# KiCad board Batch 1.kicad_pcb (continued)
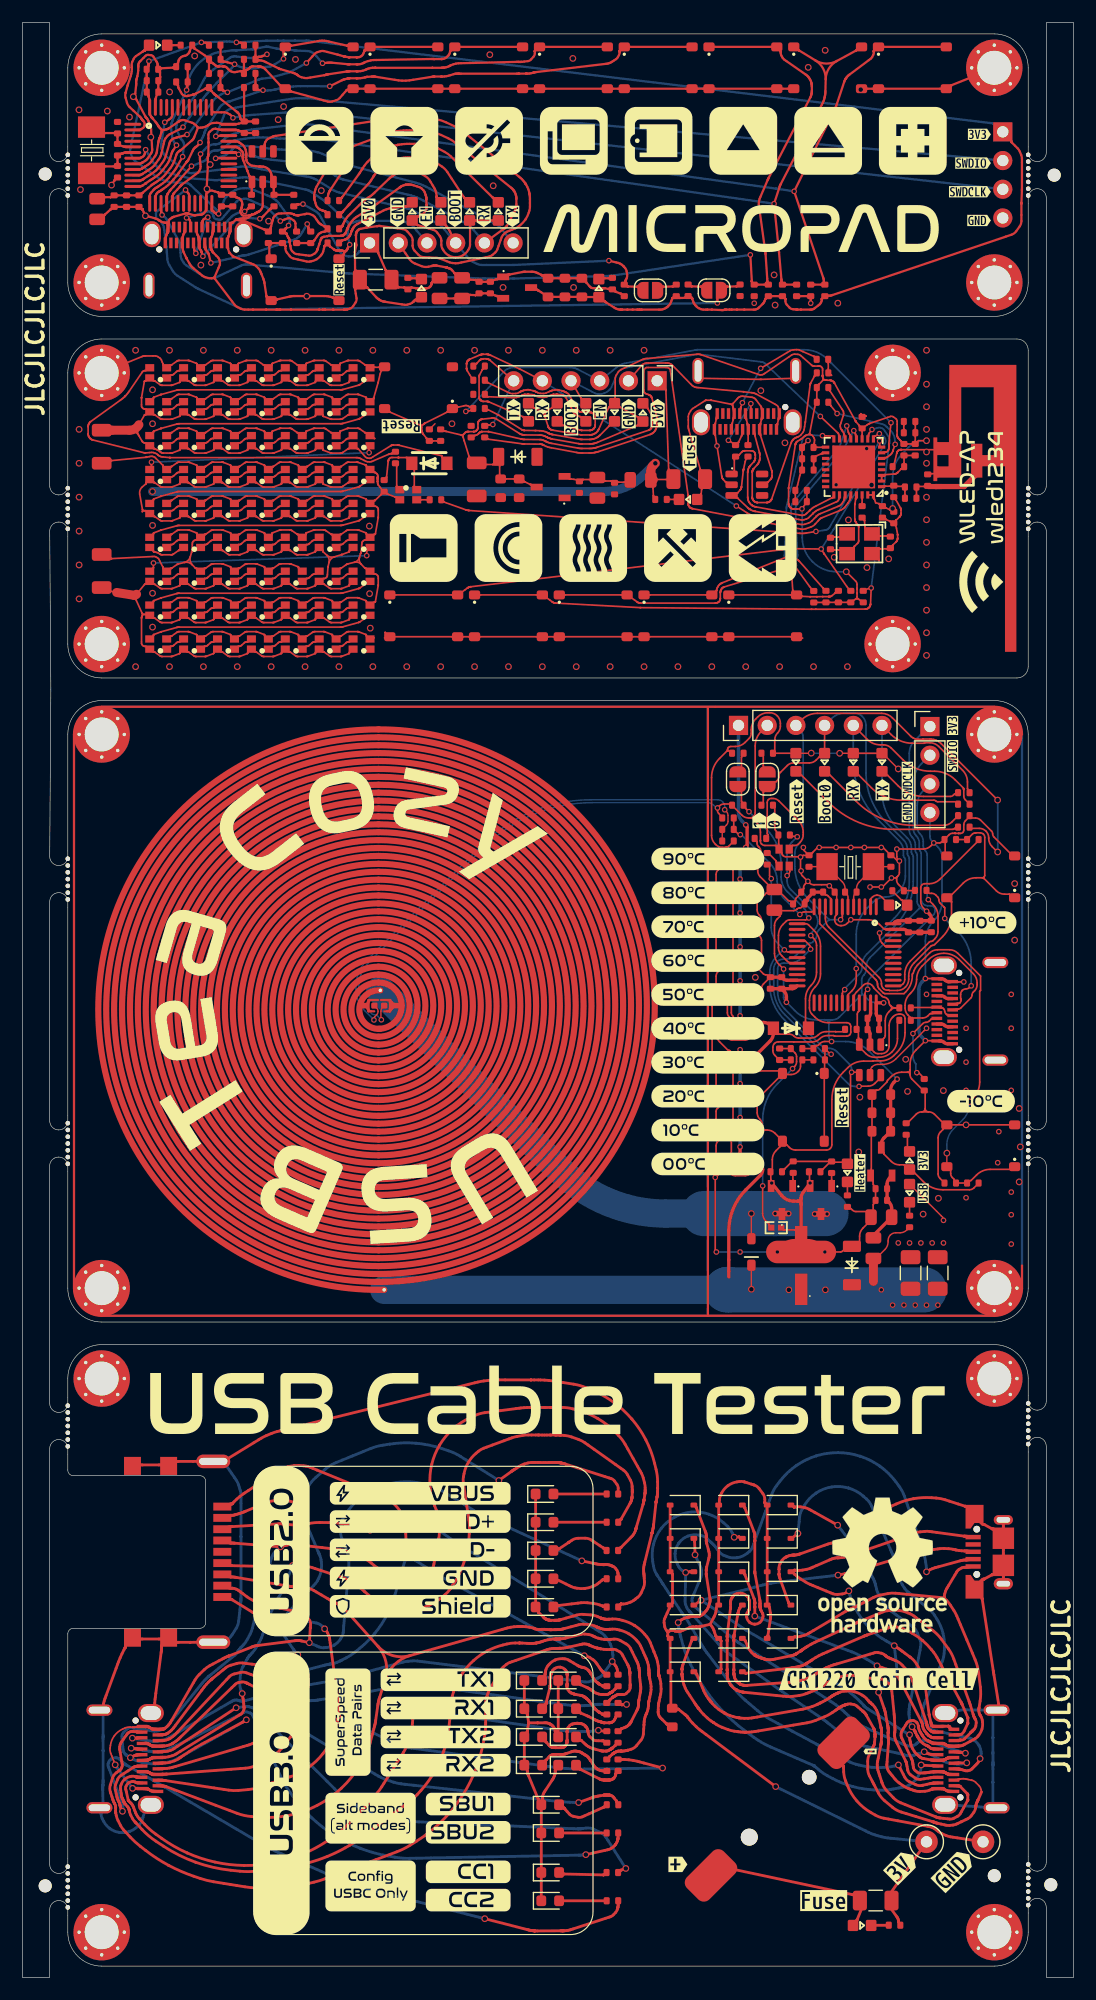
[diagram p0: board, top side]
## Routing (per net, layer and track width the routed paths; a pad name or vN(x,y) marks a point on that pad's centre or on a via; arc(x,y) is an arc through that point) (continued)
Net-(LED3-C): length 2
  Top w0.15: 77.22,95.91 77.78,95.35 arc(77.8,95.34) 77.81,95.33 77.83,95.33 arc(77.83,95.33) 77.83,95.33 77.84,95.33
  Top w0.2: LED1.1 R9.2
Net-(LED4-C): length 32.8
  Top w0.15: 82.52,104.74 82.5,104.74 arc(82.49,104.74) 82.48,104.73 82.38,104.63 arc(82.25,104.54) 82.11,104.52 79.75,104.52 arc(78.53,104.76) 77.49,105.45 76.56,106.38 arc(76.56,106.38) 76.56,106.38 76.55,106.38 ; R35.1 40.7,142.31 arc(40.7,142.3) 40.7,142.3 arc(40.7,142.3) 40.7,142.3 40.43,141.8 arc(40.42,141.78) 40.41,141.76 40.4,141.72 arc(40.4,141.7) 40.4,141.68 40.4,141.64 40.4,139.83 arc(40.4,139.82) 40.4,139.81 40.41,139.78 arc(40.41,139.77) 40.41,139.76 40.43,139.71 arc(40.44,139.69) 40.45,139.68 40.47,139.65 arc(40.48,139.63) 40.49,139.62 40.51,139.61 arc(40.51,139.61) 40.51,139.61 40.51,139.61 arc(40.52,139.6) 40.52,139.6 40.53,139.59 arc(40.53,139.59) 40.54,139.58 arc(40.54,139.58) 40.55,139.58 40.55,139.57 arc(40.55,139.57) 40.55,139.57 arc(40.55,139.57) 40.55,139.57 40.56,139.56 arc(40.57,139.55) 40.58,139.55 40.59,139.54 arc(40.61,139.52) 40.64,139.51 40.69,139.49 arc(40.72,139.48) 40.75,139.48 41.11,139.48 arc(41.12,139.47) 41.13,139.47 41.16,139.47 arc(41.17,139.47) 41.18,139.46 arc(41.19,139.46) 41.2,139.46 41.21,139.45 arc(41.21,139.45) 41.22,139.45 arc(41.22,139.45) 41.23,139.45 41.24,139.45 arc(41.24,139.44) 41.24,139.44 arc(41.25,139.44) 41.25,139.44 44.29,138.12 arc(44.29,138.12) 44.29,138.12 44.3,138.12 arc(44.3,138.12) 44.3,138.12 LED9.1
  Top w0.2: LED2.1 41.63,157.5 arc(41.63,157.5) 41.63,157.5 41.62,157.5 arc(41.62,157.5) 41.62,157.5 38.4,160.67 37.91,161.15 arc(37.65,161.37) 37.36,161.55 36.75,161.88 arc(36.44,162.01) 36.11,162.1 35.63,162.2 arc(35.52,162.22) 35.4,162.23 35.17,162.25 arc(35.06,162.26) 34.94,162.27 34.02,162.27 arc(33.9,162.26) 33.79,162.25 33.56,162.23 arc(33.44,162.22) 33.33,162.2 33.2,162.17 arc(33.19,162.17) 33.18,162.17 32.92,162.12 arc(32.7,162.06) 32.48,161.98 32.06,161.81 arc(31.86,161.71) 31.66,161.59 31.45,161.45 arc(31.44,161.45) 31.44,161.45 arc(31.44,161.45) 31.43,161.44 31.22,161.3 arc(31.03,161.16) 30.86,161.01 30.54,160.68 arc(30.38,160.51) 30.24,160.32 30.1,160.11 arc(30.1,160.11) 30.1,160.1 arc(30.09,160.1) 30.09,160.1 30.09,160.09 arc(30.08,160.08) 30.07,160.06 30.04,160.02 arc(30.01,159.97) 29.98,159.92 29.87,159.74 arc(29.84,159.7) 29.82,159.67 arc(29.79,159.63) 29.77,159.59 28.26,157.52 arc(28.26,157.52) 28.26,157.51 28.26,157.51 arc(28.26,157.51) 28.26,157.51 arc(28.26,157.51) 28.25,157.51 R17.1
Net-(LED5-C): length 40.7
  Top w0.15: 74.01,106.38 74.02,106.38 arc(74.02,106.38) 74.02,106.38 75.12,105.28 arc(76.34,104.47) 77.77,104.19 80.66,104.19 arc(80.75,104.17) 80.83,104.11 arc(80.91,104.06) 81,104.04 82.52,104.04 ; LED8.1 47.8,137.36 arc(47.8,137.36) 47.81,137.36 49.35,136.94 arc(49.36,136.93) 49.37,136.93 arc(49.38,136.93) 49.39,136.92 49.43,136.92 arc(49.44,136.92) 49.44,136.91 arc(49.45,136.91) 49.46,136.91 49.48,136.91 arc(49.48,136.91) 49.49,136.91 50.21,136.91 arc(50.22,136.91) 50.22,136.91 50.24,136.91 arc(50.25,136.91) 50.26,136.91 arc(50.26,136.92) 50.27,136.92 50.34,136.93 arc(50.35,136.93) 50.37,136.94 50.4,136.95 arc(50.41,136.96) 50.42,136.97 50.5,137.02 arc(50.51,137.03) 50.52,137.04 50.55,137.06 arc(50.56,137.07) 50.57,137.08 50.62,137.16 arc(50.63,137.17) 50.63,137.19 50.65,137.22 arc(50.65,137.23) 50.65,137.25 50.67,137.31 arc(50.67,137.32) 50.67,137.33 arc(50.67,137.34) 50.67,137.35 50.67,137.36 arc(50.68,137.37) 50.68,137.38 50.68,138.04 arc(50.68,138.05) 50.67,138.06 50.67,138.07 arc(50.67,138.08) 50.67,138.09 arc(50.67,138.1) 50.67,138.11 50.65,138.17 arc(50.65,138.19) 50.65,138.2 50.63,138.23 arc(50.63,138.25) 50.62,138.26 50.59,138.3 arc(50.59,138.3) 50.59,138.3 arc(50.59,138.3) 50.59,138.3 50.57,138.34 arc(50.56,138.35) 50.55,138.36 50.52,138.38 arc(50.51,138.39) 50.5,138.4 50.42,138.45 arc(50.41,138.46) 50.4,138.47 50.37,138.48 arc(50.35,138.49) 50.34,138.49 50.3,138.5 arc(50.29,138.5) 50.29,138.5 arc(50.29,138.5) 50.28,138.5 50.26,138.5 arc(50.26,138.51) 50.25,138.51 arc(50.24,138.51) 50.24,138.51 50.22,138.51 arc(50.21,138.51) 50.21,138.51 50.13,138.51 arc(50.12,138.51) 50.12,138.51 arc(50.12,138.51) 50.11,138.51 49.57,138.52 arc(49.57,138.52) 49.56,138.52 arc(49.56,138.52) 49.56,138.52 49.55,138.52 arc(49.55,138.52) 49.54,138.53 49.47,138.53 arc(49.47,138.53) 49.46,138.54 arc(49.45,138.54) 49.44,138.54 49.38,138.55 arc(49.38,138.55) 49.37,138.55 49.36,138.55 arc(49.35,138.56) 49.35,138.56 arc(49.34,138.56) 49.34,138.56 49.3,138.57 arc(49.29,138.58) 49.27,138.58 arc(49.26,138.59) 49.24,138.6 49.22,138.61 arc(49.2,138.62) 49.19,138.63 49.19,138.63 arc(49.18,138.64) 49.17,138.65 49.15,138.67 arc(49.14,138.68) 49.14,138.68 49.12,138.7 arc(49.12,138.71) 49.11,138.71 49.09,138.74 arc(49.09,138.75) 49.09,138.75 arc(49.09,138.75) 49.08,138.76 49.08,138.76 arc(49.08,138.77) 49.08,138.77 48.45,139.92 48.4,140.02 arc(48.37,140.07) 48.33,140.11 48.24,140.19 arc(48.2,140.22) 48.15,140.25 48.09,140.28 arc(48.08,140.28) 48.08,140.28 48.07,140.28 arc(48.06,140.29) 48.06,140.29 48.04,140.3 arc(48.03,140.3) 48.02,140.31 48.01,140.31 arc(48.01,140.31) 48.01,140.31 48,140.32 arc(48,140.32) 47.99,140.32 47.98,140.33 arc(47.97,140.33) 47.97,140.34 arc(47.96,140.34) 47.95,140.34 47.92,140.35 arc(47.91,140.36) 47.89,140.37 arc(47.88,140.37) 47.86,140.38 47.82,140.39 arc(47.81,140.4) 47.8,140.4 arc(47.79,140.4) 47.78,140.41 47.76,140.41 arc(47.76,140.42) 47.75,140.42 47.4,140.5 arc(47.36,140.51) 47.33,140.51 47.25,140.51 arc(47.21,140.51) 47.17,140.51 46.89,140.45 arc(46.88,140.45) 46.86,140.44 46.83,140.44 arc(46.82,140.43) 46.8,140.43 46.73,140.4 arc(46.72,140.39) 46.71,140.39 arc(46.7,140.38) 46.68,140.38 46.33,140.22 arc(46.21,140.19) 46.09,140.18 45.83,140.19 arc(45.7,140.21) 45.59,140.25 45.47,140.31 arc(45.47,140.31) 45.47,140.31 45.46,140.32 arc(45.46,140.32) 45.45,140.32 45.44,140.33 arc(45.43,140.33) 45.43,140.34 arc(45.42,140.34) 45.41,140.34 45.38,140.35 arc(45.37,140.36) 45.35,140.37 arc(45.34,140.37) 45.32,140.38 45.28,140.39 arc(45.27,140.4) 45.26,140.4 arc(45.25,140.4) 45.24,140.41 45.22,140.41 arc(45.22,140.42) 45.21,140.42 44.86,140.5 arc(44.82,140.51) 44.79,140.51 44.71,140.51 arc(44.67,140.51) 44.63,140.51 44.35,140.45 arc(44.34,140.45) 44.32,140.44 44.29,140.44 arc(44.28,140.43) 44.26,140.43 44.2,140.4 arc(44.18,140.39) 44.16,140.39 arc(44.15,140.38) 44.13,140.37 44.1,140.36 arc(44.1,140.36) 44.09,140.35 arc(44.08,140.35) 44.07,140.35 44.06,140.34 arc(44.05,140.34) 44.05,140.33 arc(44.04,140.33) 44.03,140.32 arc(44.03,140.32) 44.02,140.32 43.91,140.25 arc(43.78,140.2) 43.64,140.17 43.36,140.16 arc(43.23,140.17) 43.1,140.22 42.84,140.34 41.18,141.14 arc(41.18,141.14) 41.18,141.14 41.18,141.14 arc(41.18,141.14) 41.18,141.14 arc(41.18,141.14) 41.17,141.14 R30.1
  Top w0.2: R18.1 28.27,156.21 arc(28.28,156.21) 28.28,156.21 arc(28.28,156.21) 28.28,156.21 28.28,156.21 arc(28.28,156.21) 28.28,156.22 28.29,156.22 arc(28.29,156.22) 28.29,156.22 arc(28.3,156.23) 28.3,156.23 arc(28.3,156.23) 28.3,156.23 28.33,156.27 arc(28.36,156.3) 28.4,156.34 28.75,156.73 arc(28.79,156.77) 28.83,156.82 28.86,156.85 arc(28.87,156.86) 28.88,156.87 28.89,156.88 arc(28.9,156.89) 28.9,156.89 28.92,156.91 arc(28.92,156.92) 28.93,156.92 28.98,156.99 arc(29.02,157.03) 29.05,157.08 29.13,157.16 arc(29.17,157.2) 29.21,157.25 30.51,158.62 30.59,158.71 arc(30.64,158.76) 30.68,158.81 30.75,158.91 arc(30.79,158.96) 30.82,159.01 31,159.3 arc(31.03,159.33) 31.05,159.37 31.07,159.4 arc(31.08,159.41) 31.09,159.42 31.09,159.43 arc(31.09,159.44) 31.1,159.44 arc(31.1,159.44) 31.1,159.44 31.21,159.61 arc(31.31,159.75) 31.43,159.87 31.67,160.12 arc(31.8,160.23) 31.94,160.34 32.1,160.45 arc(32.1,160.45) 32.11,160.45 arc(32.11,160.45) 32.11,160.45 32.28,160.56 arc(32.42,160.65) 32.57,160.72 32.89,160.85 arc(33.05,160.91) 33.21,160.95 33.42,160.99 arc(33.42,160.99) 33.43,160.99 33.53,161.02 arc(33.62,161.03) 33.7,161.04 33.87,161.06 arc(33.96,161.06) 34.04,161.07 34.92,161.07 arc(35,161.06) 35.09,161.06 35.26,161.04 arc(35.34,161.03) 35.43,161.02 35.88,160.92 arc(36.22,160.82) 36.52,160.66 37.11,160.27 arc(37.37,160.04) 37.59,159.77 37.98,159.18 39.08,157.51 arc(39.08,157.51) 39.08,157.5 arc(39.08,157.5) 39.08,157.5 39.08,157.5 arc(39.08,157.5) 39.08,157.5 39.09,157.5 arc(39.09,157.5) 39.09,157.5 LED3.1
Net-(LED6-K): length 35.7
  Top w0.15: 68.93,106.38 68.94,106.38 arc(68.94,106.38) 68.94,106.38 71.33,103.99 arc(73.98,102.23) 77.1,101.61 82.34,101.61 arc(82.4,101.62) 82.45,101.65 82.48,101.68 arc(82.49,101.69) 82.5,101.69 82.52,101.69 ; LED12.1 51.92,137.3 arc(51.92,137.3) 51.92,137.3 51.91,137.3 arc(51.91,137.3) 51.91,137.3 51.12,136.51 51.08,136.47 arc(51.06,136.45) 51.04,136.43 51,136.39 arc(50.98,136.37) 50.95,136.36 50.84,136.28 arc(50.79,136.25) 50.74,136.23 50.64,136.19 arc(50.59,136.17) 50.53,136.15 50.39,136.13 arc(50.37,136.12) 50.34,136.12 50.28,136.11 arc(50.26,136.11) 50.23,136.11 49.48,136.11 arc(49.45,136.11) 49.43,136.11 49.38,136.12 arc(49.36,136.12) 49.33,136.12 49.28,136.13 46.94,136.53 arc(46.93,136.54) 46.92,136.54 arc(46.91,136.54) 46.9,136.54 46.83,136.56 arc(46.82,136.56) 46.81,136.56 arc(46.81,136.56) 46.8,136.56 46.78,136.57 arc(46.78,136.57) 46.77,136.57 46.74,136.58 arc(46.74,136.58) 46.73,136.58 arc(46.72,136.59) 46.72,136.59 46.7,136.59 arc(46.7,136.59) 46.69,136.6 46.67,136.61 arc(46.66,136.61) 46.65,136.61 arc(46.64,136.62) 46.63,136.62 46.62,136.63 arc(46.61,136.63) 46.6,136.64 46.58,136.65 arc(46.57,136.65) 46.56,136.65 46.55,136.66 arc(46.55,136.66) 46.54,136.67 46.53,136.67 arc(46.53,136.67) 46.52,136.67 arc(46.52,136.68) 46.51,136.68 46.37,136.75 arc(46.3,136.78) 46.22,136.81 46.07,136.85 arc(45.99,136.87) 45.91,136.87 45.43,136.89 arc(45.41,136.89) 45.39,136.89 arc(45.37,136.9) 45.35,136.9 44.42,136.91 arc(44.42,136.91) 44.41,136.91 arc(44.4,136.91) 44.39,136.91 44.38,136.91 arc(44.37,136.91) 44.36,136.91 44.31,136.92 arc(44.3,136.93) 44.28,136.93 arc(44.27,136.93) 44.26,136.94 44.23,136.95 arc(44.21,136.96) 44.2,136.96 44.18,136.98 42.15,138.25 42.13,138.26 arc(42.12,138.27) 42.11,138.28 42.09,138.29 arc(42.08,138.29) 42.07,138.3 41.21,138.73 arc(41.21,138.74) 41.2,138.74 41.19,138.74 arc(41.19,138.74) 41.18,138.74 41.14,138.74 arc(41.11,138.74) 41.07,138.76 R27.1
  Top w0.2: R14.1 28.27,153.71 arc(28.28,153.71) 28.28,153.71 28.28,153.71 28.52,153.79 arc(28.54,153.8) 28.56,153.8 28.6,153.82 arc(28.62,153.83) 28.63,153.84 28.7,153.88 arc(28.74,153.9) 28.77,153.93 28.83,153.98 arc(28.86,154.01) 28.89,154.04 28.9,154.07 arc(28.91,154.08) 28.92,154.09 arc(28.93,154.1) 28.93,154.11 28.94,154.12 arc(28.96,154.14) 28.97,154.16 28.99,154.21 arc(29.01,154.23) 29.02,154.26 29.12,154.52 arc(29.12,154.53) 29.12,154.54 arc(29.12,154.54) 29.13,154.55 29.13,154.56 arc(29.14,154.57) 29.14,154.58 29.14,154.58 arc(29.14,154.59) 29.14,154.59 arc(29.15,154.59) 29.15,154.6 29.17,154.65 arc(29.17,154.65) 29.17,154.65 arc(29.17,154.66) 29.18,154.66 29.18,154.68 arc(29.19,154.71) 29.21,154.73 29.23,154.78 arc(29.25,154.8) 29.26,154.83 29.35,154.94 arc(29.38,154.98) 29.42,155.02 29.5,155.09 arc(29.54,155.12) 29.59,155.15 29.68,155.2 31.67,156.23 31.93,156.36 arc(32.07,156.43) 32.21,156.48 32.49,156.56 arc(32.64,156.6) 32.78,156.62 33.86,156.73 arc(33.88,156.73) 33.89,156.73 arc(33.9,156.73) 33.91,156.73 33.94,156.74 arc(33.95,156.74) 33.97,156.74 33.98,156.74 arc(33.98,156.74) 33.98,156.74 arc(33.98,156.74) 33.98,156.74 arc(33.99,156.74) 33.99,156.74 LED4.1
  vias: v1(52,116)
Net-(LED7-K): length 35.7
  Top w0.15: 82.54,102.56 82.24,102.26 arc(81.91,102.03) 81.52,101.96 78.93,101.96 arc(76.14,102.51) 73.77,104.09 71.48,106.38 arc(71.48,106.38) 71.48,106.38 71.47,106.38 ; LED10.1 49.38,138.12 arc(49.38,138.12) 49.38,138.12 49.37,138.12 arc(49.37,138.12) 49.37,138.12 49.17,138.18 arc(49.13,138.2) 49.09,138.22 49.01,138.26 arc(48.97,138.29) 48.94,138.32 48.85,138.4 arc(48.84,138.42) 48.83,138.43 48.81,138.46 arc(48.79,138.47) 48.78,138.49 48.75,138.53 arc(48.75,138.54) 48.74,138.55 48.73,138.57 arc(48.73,138.58) 48.72,138.59 48.71,138.61 48.1,139.8 48.09,139.83 arc(48.08,139.84) 48.07,139.86 48.05,139.88 arc(48.03,139.9) 48.02,139.91 48.02,139.91 arc(48.01,139.92) 48,139.93 48,139.93 arc(47.99,139.93) 47.98,139.94 arc(47.98,139.94) 47.97,139.95 47.95,139.96 arc(47.94,139.96) 47.94,139.97 47.93,139.97 arc(47.93,139.97) 47.92,139.97 arc(47.92,139.97) 47.91,139.98 47.85,140.01 arc(47.85,140.01) 47.85,140.01 47.84,140.01 arc(47.83,140.02) 47.83,140.02 47.82,140.03 arc(47.81,140.03) 47.8,140.03 47.75,140.05 arc(47.74,140.05) 47.74,140.05 arc(47.73,140.05) 47.73,140.05 47.72,140.05 arc(47.72,140.06) 47.71,140.06 47.64,140.07 arc(47.63,140.07) 47.63,140.07 arc(47.62,140.07) 47.61,140.07 47.3,140.11 arc(47.29,140.11) 47.28,140.11 47.27,140.11 arc(47.26,140.11) 47.25,140.11 47.01,140.09 arc(47.01,140.09) 47,140.09 arc(47,140.09) 47,140.09 46.99,140.09 arc(46.99,140.08) 46.98,140.08 arc(46.98,140.08) 46.98,140.08 46.91,140.07 arc(46.91,140.07) 46.9,140.07 arc(46.9,140.07) 46.89,140.07 46.88,140.06 arc(46.88,140.06) 46.88,140.06 46.82,140.05 arc(46.82,140.04) 46.81,140.04 arc(46.8,140.04) 46.8,140.04 46.37,139.87 arc(46.22,139.84) 46.06,139.83 45.75,139.85 arc(45.59,139.88) 45.45,139.93 45.31,140.01 arc(45.31,140.01) 45.31,140.01 45.3,140.01 arc(45.29,140.02) 45.29,140.02 45.28,140.03 arc(45.27,140.03) 45.26,140.03 45.21,140.05 arc(45.2,140.05) 45.2,140.05 arc(45.19,140.05) 45.19,140.05 45.18,140.05 arc(45.18,140.06) 45.17,140.06 45.1,140.07 arc(45.09,140.07) 45.09,140.07 arc(45.08,140.07) 45.07,140.07 44.76,140.11 arc(44.75,140.11) 44.74,140.11 44.73,140.11 arc(44.72,140.11) 44.71,140.11 44.47,140.09 arc(44.47,140.09) 44.46,140.09 arc(44.46,140.09) 44.46,140.09 44.45,140.09 arc(44.45,140.08) 44.44,140.08 arc(44.44,140.08) 44.44,140.08 44.37,140.07 arc(44.37,140.07) 44.36,140.07 arc(44.36,140.07) 44.35,140.07 44.34,140.06 arc(44.34,140.06) 44.34,140.06 44.28,140.05 arc(44.28,140.04) 44.27,140.04 arc(44.26,140.04) 44.25,140.04 44.24,140.03 arc(44.23,140.03) 44.23,140.02 arc(44.22,140.02) 44.21,140.01 arc(44.21,140.01) 44.2,140.01 44.12,139.96 arc(44.02,139.91) 43.92,139.88 43.72,139.83 arc(43.62,139.81) 43.51,139.81 43.3,139.81 41.18,139.89 arc(41.18,139.89) 41.18,139.89 41.18,139.89 arc(41.18,139.89) 41.17,139.89 R29.1
  Top w0.2: R13.1 28.27,154.96 arc(28.28,154.96) 28.28,154.96 arc(28.28,154.96) 28.28,154.96 28.28,154.96 arc(28.28,154.96) 28.29,154.97 28.29,154.97 arc(28.29,154.97) 28.29,154.97 arc(28.29,154.98) 28.3,154.98 28.3,154.99 arc(28.3,154.99) 28.3,155 28.31,155.01 arc(28.31,155.03) 28.32,155.05 28.33,155.08 arc(28.34,155.1) 28.35,155.11 28.48,155.4 arc(28.53,155.49) 28.58,155.58 28.7,155.75 arc(28.77,155.83) 28.84,155.91 29.81,156.86 29.97,157.02 arc(30.05,157.09) 30.14,157.17 30.32,157.31 arc(30.41,157.38) 30.5,157.44 30.69,157.57 arc(30.75,157.61) 30.81,157.66 30.93,157.75 arc(30.99,157.8) 31.05,157.86 31.16,157.96 32.4,159.15 32.47,159.22 arc(32.51,159.25) 32.54,159.28 32.62,159.35 arc(32.66,159.38) 32.7,159.41 32.81,159.48 32.89,159.53 arc(32.99,159.59) 33.09,159.64 33.3,159.72 arc(33.4,159.76) 33.51,159.79 33.64,159.81 arc(33.65,159.81) 33.65,159.82 33.74,159.83 arc(33.79,159.84) 33.85,159.85 33.96,159.86 arc(34.02,159.86) 34.07,159.87 34.53,159.87 arc(34.83,159.83) 35.1,159.72 35.63,159.42 arc(35.87,159.24) 36.05,159.01 36.45,158.33 arc(36.5,158.23) 36.54,158.12 36.6,157.91 arc(36.63,157.8) 36.64,157.69 36.64,157.58 arc(36.64,157.57) 36.64,157.57 36.64,157.57 arc(36.64,157.57) 36.64,157.56 36.64,157.56 arc(36.64,157.56) 36.64,157.56 LED5.1
Net-(LED8-K): length 0.4
  Top w0.15: 73,69.92 73,69.48
Net-(R28-Pad2): length 47.9
  Top w0.127: R53.1 R56.2 ; R62.2 31.33,85.8 arc(31.43,85.66) 31.46,85.5 arc(31.43,85.33) 31.33,85.19 31.17,85.03 arc(31.12,84.95) 31.1,84.85 v2(31.1,84.73) ; v2(62.14,103.34) 62.28,103.19 arc(62.39,103.03) 62.43,102.84 62.43,102.31 arc(62.4,102.14) 62.3,101.99 62.17,101.86
  Bottom w0.127: v2(31.1,84.73) 30.31,85.52 arc(29.71,86.42) 29.5,87.48 29.5,87.69 arc(29.75,88.95) 30.46,90.01 40.69,100.24 arc(45.1,103.18) 50.3,104.22 61.53,104.22 arc(61.76,104.17) 61.96,104.04 arc(62.09,103.84) 62.14,103.61 v2(62.14,103.34)
Net-(R29-Pad2): length 17.4
  Top w0.15: R79.2 66.09,66.52 arc(66.07,66.55) 66.06,66.58 66.06,66.64 arc(66.06,66.65) 66.05,66.66 65.78,66.93 arc(65.57,67.24) 65.5,67.61 v2(65.5,70.05) ; 67.32,82.21 67.72,82.21 ; v2(68.14,80.43) 68.32,80.61 arc(68.45,80.81) 68.5,81.04 68.5,81.49 arc(68.47,81.66) 68.37,81.81 68.24,81.94
  Bottom w0.15: v2(68.14,80.43) 66.82,79.11 arc(65.84,77.64) 65.5,75.92 v2(65.5,70.05)
Net-(RGB1-DI): length 4.6
  Top w0.15: R28.2 RGB38.4 ; 65,100.5 65,100.5 arc(65,100.5) 65,100.5 65,100.35 arc(65.03,100.21) 65.11,100.09 65.18,100.03 arc(65.3,99.83) 65.35,99.61 65.35,99.3 arc(65.33,99.19) 65.26,99.09 arc(65.16,99.02) 65.05,99 64.55,99 arc(64.42,98.97) 64.31,98.9 64.3,98.89 arc(64.2,98.82) 64.08,98.8 63.91,98.8 arc(63.88,98.79) 63.85,98.78 RGB65.4
Net-(RGB1-DO): length 7.1
  Top w0.15: RGB67.4 63.25,95.78 arc(63.22,95.79) 63.19,95.8 63.13,95.8 arc(63.12,95.8) 63.11,95.81 62.99,95.93 arc(62.97,95.95) 62.97,95.98 62.97,96 arc(62.96,96.01) 62.95,96.03 arc(62.94,96.04) 62.94,96.06 62.94,96.06 arc(62.94,96.08) 62.93,96.09 62.91,96.11 arc(62.88,96.15) 62.88,96.19 62.88,98.58 arc(62.83,98.82) 62.69,99.02 62.54,99.18 arc(62.51,99.19) 62.48,99.2 62.41,99.2 arc(62.38,99.21) 62.35,99.22 RGB65.1 ; R31.1 33.09,133.84 arc(33.11,133.8) 33.11,133.77 33.11,131.96 arc(33.12,131.92) 33.14,131.89 RGB38.1
Net-(RGB1-VDD): length 6.7
  Top w0.15: C35.1 32.21,132.77 arc(32.21,132.78) 32.21,132.78 32.21,132.78 32.36,134.17 arc(32.36,134.17) 32.36,134.17 arc(32.36,134.18) 32.36,134.18 32.36,134.19 arc(32.36,134.19) 32.36,134.19 32.37,134.23 arc(32.37,134.23) 32.37,134.23 32.37,134.24 arc(32.37,134.24) 32.37,134.24 arc(32.37,134.25) 32.37,134.25 32.39,134.33 arc(32.41,134.37) 32.45,134.41 32.54,134.48 arc(32.58,134.5) 32.64,134.51 33.24,134.51 arc(33.24,134.51) 33.25,134.51 33.25,134.51 arc(33.26,134.51) 33.26,134.51 33.26,134.51 arc(33.26,134.51) 33.26,134.51 33.27,134.51 arc(33.27,134.51) 33.28,134.51 33.28,134.51 arc(33.29,134.51) 33.29,134.51 33.99,134.51 arc(34.02,134.5) 34.05,134.48 34.27,134.22 arc(34.43,133.99) 34.56,133.74 34.65,133.51 arc(34.66,133.47) 34.67,133.44 34.67,131.96 arc(34.67,131.92) 34.69,131.89 RGB38.2
Net-(RGB2-DI): length 36.4
  Top w0.15: RGB7.4 10.95,142.22 arc(10.92,142.21) 10.89,142.2 10.81,142.2 arc(10.77,142.2) 10.73,142.18 10.66,142.14 arc(10.63,142.12) 10.6,142.09 9.45,140.4 9.38,140.3 arc(9.34,140.24) 9.3,140.19 9.22,140.09 arc(9.18,140.04) 9.13,140 9.09,139.96 arc(9.09,139.95) 9.08,139.94 arc(9.07,139.94) 9.07,139.93 arc(9.06,139.93) 9.06,139.92 arc(9.05,139.91) 9.04,139.91 9.01,139.87 arc(8.97,139.84) 8.93,139.8 8.84,139.73 arc(8.8,139.69) 8.76,139.66 6.02,137.69 6,137.67 arc(5.98,137.66) 5.97,137.65 5.95,137.63 arc(5.94,137.62) 5.94,137.61 5.86,137.5 arc(5.86,137.49) 5.85,137.47 5.84,137.44 arc(5.83,137.43) 5.83,137.41 5.81,137.31 arc(5.81,137.3) 5.8,137.29 arc(5.8,137.29) 5.8,137.28 5.8,137.26 arc(5.8,137.25) 5.8,137.25 5.8,136.6 arc(5.8,136.6) 5.8,136.59 5.8,136.57 arc(5.8,136.56) 5.8,136.56 arc(5.81,136.55) 5.81,136.54 5.83,136.44 arc(5.83,136.42) 5.84,136.41 5.85,136.38 arc(5.86,136.36) 5.86,136.35 5.94,136.24 arc(5.95,136.23) 5.96,136.22 5.98,136.19 arc(5.99,136.18) 6,136.17 6.11,136.1 arc(6.12,136.1) 6.13,136.09 6.16,136.08 arc(6.17,136.07) 6.19,136.07 6.21,136.06 10.76,134.93 10.79,134.92 arc(10.8,134.92) 10.81,134.92 10.84,134.91 arc(10.85,134.91) 10.86,134.91 arc(10.88,134.92) 10.89,134.92 11.42,134.96 arc(11.51,134.96) 11.59,134.94 11.76,134.89 arc(11.84,134.85) 11.91,134.8 12.03,134.7 arc(12.07,134.67) 12.11,134.64 12.21,134.6 arc(12.26,134.58) 12.31,134.57 13.01,134.5 arc(13.02,134.5) 13.03,134.5 13.05,134.5 arc(13.06,134.5) 13.07,134.5 29.62,134.5 arc(29.66,134.5) 29.7,134.49 29.79,134.47 arc(29.83,134.46) 29.87,134.44 30.37,134.18 arc(30.46,134.15) 30.54,134.13 30.73,134.12 arc(30.82,134.13) 30.9,134.16 32.38,134.79 32.44,134.82 arc(32.47,134.83) 32.51,134.84 32.57,134.85 arc(32.61,134.86) 32.64,134.86 32.67,134.86 arc(32.67,134.86) 32.68,134.86 arc(32.68,134.86) 32.68,134.86 arc(32.68,134.86) 32.68,134.86 arc(32.68,134.86) 32.69,134.86 R31.2
Net-(RGB2-DO): length 6.4
  Top w0.15: RGB34.4 13.95,142.22 arc(13.92,142.21) 13.89,142.2 13.82,142.2 arc(13.79,142.2) 13.76,142.19 13.71,142.17 arc(13.68,142.16) 13.66,142.14 13.34,141.86 arc(13.32,141.84) 13.29,141.83 13.24,141.81 arc(13.21,141.8) 13.18,141.8 13.11,141.8 arc(13.08,141.79) 13.05,141.78 RGB7.1 ; RGB73.4 63.25,92.78 arc(63.22,92.79) 63.19,92.8 63.13,92.8 arc(63.12,92.8) 63.11,92.81 62.99,92.93 arc(62.97,92.95) 62.97,92.98 62.97,93 arc(62.96,93.01) 62.95,93.03 arc(62.94,93.04) 62.94,93.06 62.94,93.06 arc(62.94,93.08) 62.93,93.09 62.91,93.11 arc(62.88,93.15) 62.88,93.19 62.88,95.12 arc(62.85,95.25) 62.78,95.36 arc(62.7,95.47) 62.68,95.6 62.68,95.88 arc(62.67,95.89) 62.67,95.9 arc(62.66,95.91) 62.66,95.92 62.66,95.94 arc(62.65,95.96) 62.64,95.98 62.55,96.07 arc(62.53,96.1) 62.52,96.13 arc(62.52,96.15) 62.5,96.18 62.49,96.19 arc(62.48,96.2) 62.47,96.2 62.41,96.2 arc(62.38,96.21) 62.35,96.22 RGB67.1
Net-(RGB3-DO): length 6.4
  Top w0.15: RGB34.1 16.05,141.78 arc(16.08,141.79) 16.11,141.8 16.18,141.8 arc(16.21,141.8) 16.24,141.81 16.29,141.83 arc(16.32,141.84) 16.34,141.86 16.66,142.14 arc(16.68,142.16) 16.71,142.17 16.76,142.19 arc(16.79,142.2) 16.82,142.2 16.89,142.2 arc(16.92,142.21) 16.95,142.22 RGB27.4 ; RGB73.1 62.35,93.22 arc(62.38,93.21) 62.41,93.2 62.47,93.2 arc(62.48,93.2) 62.49,93.19 62.5,93.18 arc(62.52,93.15) 62.52,93.13 arc(62.53,93.1) 62.55,93.07 62.64,92.98 arc(62.65,92.96) 62.66,92.94 62.66,92.92 arc(62.66,92.91) 62.67,92.9 arc(62.67,92.89) 62.68,92.88 62.68,92.6 arc(62.7,92.47) 62.78,92.36 arc(62.85,92.25) 62.88,92.12 62.88,90.19 arc(62.88,90.15) 62.91,90.11 62.93,90.09 arc(62.94,90.08) 62.94,90.06 62.94,90.06 arc(62.94,90.04) 62.95,90.03 arc(62.96,90.01) 62.97,90 62.97,89.98 arc(62.97,89.95) 62.99,89.93 63.11,89.81 arc(63.12,89.8) 63.13,89.8 63.19,89.8 arc(63.22,89.79) 63.25,89.78 RGB68.4
Net-(RGB4-DO): length 6.4
  Top w0.15: RGB71.4 63.25,86.78 arc(63.22,86.79) 63.19,86.8 63.13,86.8 arc(63.12,86.8) 63.11,86.81 62.99,86.93 arc(62.97,86.95) 62.97,86.98 62.97,87 arc(62.96,87.01) 62.95,87.03 arc(62.94,87.04) 62.94,87.06 62.94,87.06 arc(62.94,87.08) 62.93,87.09 62.91,87.11 arc(62.88,87.15) 62.88,87.19 62.88,89.12 arc(62.85,89.25) 62.78,89.36 arc(62.7,89.47) 62.68,89.6 62.68,89.88 arc(62.67,89.89) 62.67,89.9 arc(62.66,89.91) 62.66,89.92 62.66,89.94 arc(62.65,89.96) 62.64,89.98 62.55,90.07 arc(62.53,90.1) 62.52,90.13 arc(62.52,90.15) 62.5,90.18 62.49,90.19 arc(62.48,90.2) 62.47,90.2 62.41,90.2 arc(62.38,90.21) 62.35,90.22 RGB68.1 ; RGB14.4 19.95,142.22 arc(19.92,142.21) 19.89,142.2 19.82,142.2 arc(19.79,142.2) 19.76,142.19 19.71,142.17 arc(19.68,142.16) 19.66,142.14 19.34,141.86 arc(19.32,141.84) 19.29,141.83 19.24,141.81 arc(19.21,141.8) 19.18,141.8 19.11,141.8 arc(19.08,141.79) 19.05,141.78 RGB27.1
Net-(RGB5-DO): length 6.4
  Top w0.15: RGB10.4 22.95,142.22 arc(22.92,142.21) 22.89,142.2 22.82,142.2 arc(22.79,142.2) 22.76,142.19 22.71,142.17 arc(22.68,142.16) 22.66,142.14 22.34,141.86 arc(22.32,141.84) 22.29,141.83 22.24,141.81 arc(22.21,141.8) 22.18,141.8 22.11,141.8 arc(22.08,141.79) 22.05,141.78 RGB14.1 ; RGB70.4 63.25,83.78 arc(63.22,83.79) 63.19,83.8 63.13,83.8 arc(63.12,83.8) 63.11,83.81 63.03,83.89 arc(62.96,83.99) 62.94,84.1 62.94,84.84 arc(62.91,84.99) 62.83,85.11 arc(62.75,85.23) 62.72,85.37 62.72,86.38 arc(62.72,86.41) 62.7,86.44 arc(62.68,86.47) 62.68,86.5 62.68,86.88 arc(62.67,86.89) 62.67,86.9 arc(62.66,86.91) 62.66,86.92 62.66,86.94 arc(62.65,86.96) 62.64,86.98 62.55,87.07 arc(62.53,87.1) 62.52,87.13 arc(62.52,87.15) 62.5,87.18 62.49,87.19 arc(62.48,87.2) 62.47,87.2 62.41,87.2 arc(62.38,87.21) 62.35,87.22 RGB71.1
Net-(RGB6-DO): length 7
  Top w0.15: RGB10.1 25.05,141.78 arc(25.08,141.79) 25.11,141.8 25.18,141.8 arc(25.21,141.8) 25.24,141.81 25.29,141.83 arc(25.32,141.84) 25.34,141.86 25.66,142.14 arc(25.68,142.16) 25.71,142.17 25.76,142.19 arc(25.79,142.2) 25.82,142.2 25.89,142.2 arc(25.92,142.21) 25.95,142.22 RGB46.4 ; RGB69.4 63.25,80.78 arc(63.22,80.79) 63.19,80.8 63.13,80.8 arc(63.12,80.8) 63.11,80.81 62.99,80.93 arc(62.97,80.95) 62.97,80.98 62.97,81 arc(62.96,81.01) 62.95,81.03 arc(62.94,81.04) 62.94,81.06 62.94,81.06 arc(62.94,81.08) 62.93,81.09 62.91,81.11 arc(62.88,81.15) 62.88,81.19 62.88,81.52 arc(62.83,81.72) 62.72,81.89 62.61,82 arc(62.56,82.04) 62.5,82.05 arc(62.44,82.06) 62.39,82.1 61.69,82.8 arc(61.46,83.14) 61.37,83.55 61.37,83.84 arc(61.4,83.98) 61.48,84.09 61.56,84.18 arc(61.59,84.19) 61.62,84.2 61.69,84.2 arc(61.72,84.21) 61.75,84.22 RGB70.1
Net-(RGB7-DO): length 6.4
  Top w0.15: RGB69.1 62.35,81.22 arc(62.38,81.21) 62.41,81.2 62.47,81.2 arc(62.48,81.2) 62.49,81.19 62.5,81.18 arc(62.52,81.15) 62.52,81.13 arc(62.53,81.1) 62.55,81.07 62.64,80.98 arc(62.65,80.96) 62.66,80.94 62.66,80.92 arc(62.66,80.91) 62.67,80.9 arc(62.67,80.89) 62.68,80.88 62.68,80.6 arc(62.7,80.47) 62.78,80.36 arc(62.85,80.25) 62.88,80.12 62.88,78.19 arc(62.88,78.15) 62.91,78.11 62.93,78.09 arc(62.94,78.08) 62.94,78.06 62.94,78.06 arc(62.94,78.04) 62.95,78.03 arc(62.96,78.01) 62.97,78 62.97,77.98 arc(62.97,77.95) 62.99,77.93 63.11,77.81 arc(63.12,77.8) 63.13,77.8 63.19,77.8 arc(63.22,77.79) 63.25,77.78 RGB72.4 ; RGB47.4 28.95,142.22 arc(28.92,142.21) 28.89,142.2 28.82,142.2 arc(28.79,142.2) 28.76,142.19 28.71,142.17 arc(28.68,142.16) 28.66,142.14 28.34,141.86 arc(28.32,141.84) 28.29,141.83 28.24,141.81 arc(28.21,141.8) 28.18,141.8 28.11,141.8 arc(28.08,141.79) 28.05,141.78 RGB46.1